# Altium PCB fpga.PcbDoc (part 6 of 11) (continued)
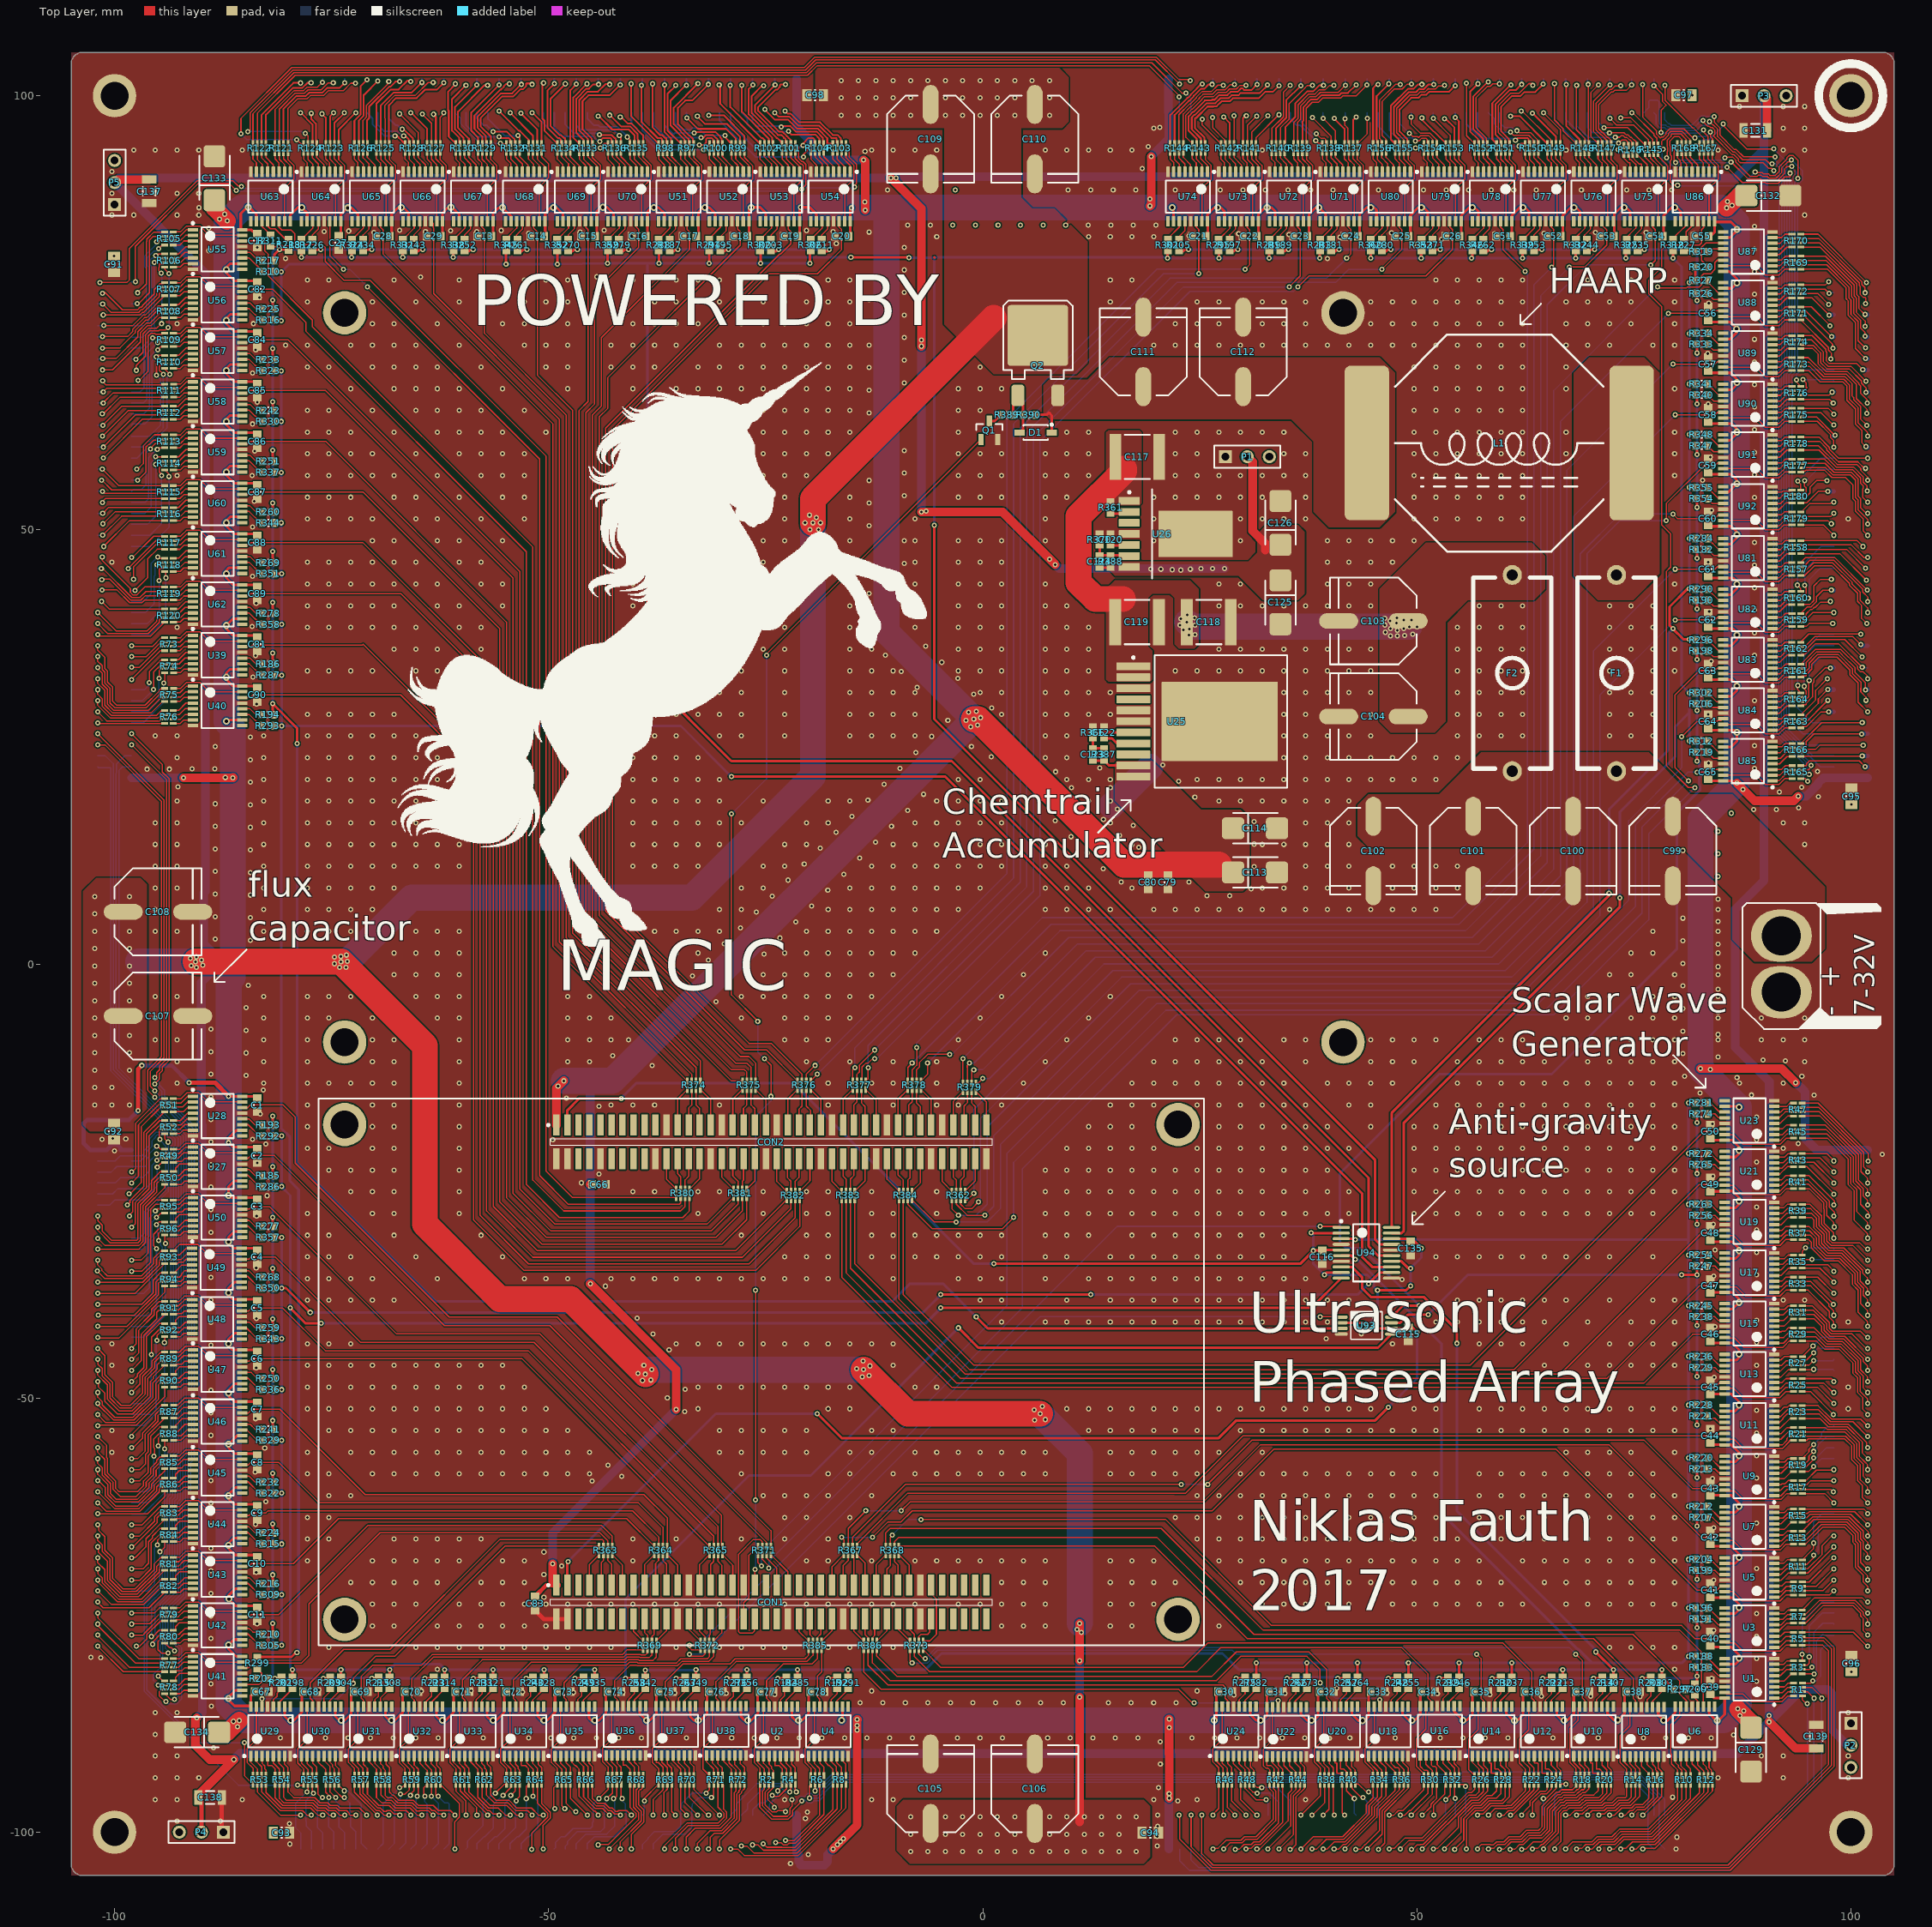
[diagram p0: Top Layer view]
## Nets (pads, with @x,y where several pads share a name; then routed paths per layer and width w, separated by ;. In a path a pad name is that pad's centre, name@x,y a point inside that pad or via, vN(x,y) a via of type N, cw(c..) or ccw(c..) an arc to the next point about the centre after c; other vN are vias at no path point) (continued)
NetJ3_48: J3.48 R65.6 | length 3
  Top Layer w0.15: R65.6@-48.498,-94.472 -48.498,-96.917 v1(-48.133,-97.282)
NetJ3_49: J3.49 R67.5 | length 11.5
  Top Layer w0.15: v1(-44.196,-96.139) -43.156,-95.099 R67.5@-43.156,-94.472
  Bottom Layer w0.15: J3.49@-49.365,-101.95 -49.2,-101.785 -49.2,-101.167 -48.558,-100.525 -48.133,-100.525 -47.201,-99.593 -45.21,-99.593 -44.96,-99.343 -44.96,-98.911 -44.88,-98.831 -44.88,-96.757 -44.262,-96.139 v1(-44.196,-96.139)
NetJ3_50: J3.50 R65.5 | length 3.1
  Top Layer w0.15: v1(-49.276,-97.282) -49.403,-97.282 -49.403,-94.877 R65.5@-48.998,-94.472
NetJ3_51: J3.51 R64.8 | length 8.3
  Top Layer w0.15: R64.8@-50.808,-94.472 -50.808,-96.71 -49.81,-97.708 -49.81,-98.392 -50.673,-99.255 -50.673,-101.988 v1(-50.635,-101.95)
NetJ3_52: J3.52 R62.8 | length 8.2
  Top Layer w0.15: R62.8@-56.654,-94.48 -56.659,-94.485 -56.659,-95.741 -56.081,-96.319 -54.585,-96.319 -53.679,-97.225 -51.988,-97.225 -51.169,-98.044 -50.641,-98.044 v1(-50.635,-98.05)
NetJ3_53: J3.53 R64.7 | length 8.8
  Top Layer w0.15: v1(-51.943,-101.981) -51.943,-100.1 -50.11,-98.267 -50.11,-97.833 -51.291,-96.652 -51.291,-94.489 R64.7@-51.308,-94.472
NetJ3_54: J3.54 R62.7 | length 7.5
  Top Layer w0.15: R62.7@-57.154,-94.48 -57.154,-95.754 -56.289,-96.619 -54.709,-96.619 -53.792,-97.536 -53.403,-97.536 -53.392,-97.525 -52.43,-97.525 v1(-51.905,-98.05)
NetJ3_55: J3.55 R64.6 | length 8.6
  Top Layer w0.15: v1(-51.816,-95.885) -51.808,-95.877 R64.6@-51.808,-94.472
  Bottom Layer w0.15: J3.55@-53.175,-101.95 -53.175,-101.332 -52.368,-100.525 -52.265,-100.525 -51.232,-99.492 -51.232,-96.469 v1(-51.816,-95.885)
NetJ3_56: J3.56 R62.6 | length 6.9
  Top Layer w0.15: R62.6@-57.654,-94.48 -57.654,-96.016 -56.751,-96.919 -54.834,-96.919 -53.709,-98.044 -53.181,-98.044 v1(-53.175,-98.05)
NetJ3_57: J3.57 R64.5 | length 8.6
  Top Layer w0.15: v1(-52.578,-96.139) -52.578,-94.742 R64.5@-52.308,-94.472
  Bottom Layer w0.15: J3.57@-54.445,-101.95 -54.445,-101.332 -53.638,-100.525 -53.459,-100.525 -52.58,-99.646 -52.58,-97.307 -52.578,-97.305 v1@-52.578,-96.266 ; v1@-52.705,-96.139 v1@-52.578,-96.266 ; v1(-52.578,-96.139) v1@-52.578,-96.266
NetJ3_58: J3.58 R62.5 | length 6.1
  Top Layer w0.15: R62.5@-58.154,-94.48 -58.154,-95.981 -56.916,-97.219 -55.804,-97.219 -54.979,-98.044 -54.451,-98.044 v1(-54.445,-98.05)
NetJ3_59: J3.59 R63.8 | length 8.7
  Top Layer w0.15: v1(-53.721,-96.393) -53.848,-96.393 -53.348,-95.893 R63.8@-53.348,-94.472
  Bottom Layer w0.15: J3.59@-55.715,-101.95 -55.715,-101.332 -54.908,-100.525 -54.881,-100.525 -53.797,-99.441 -53.797,-96.469 v1(-53.721,-96.393)
NetJ3_60: J3.60 R61.8 | length 5.5
  Top Layer w0.15: R61.8@-59.19,-94.488 -59.19,-95.369 -57.04,-97.519 -56.806,-97.519 -56.408,-97.917 -55.753,-97.917 -55.715,-97.955 v1(-55.715,-98.05)
NetJ3_61: J3.61 R63.7 | length 8.9
  Top Layer w0.15: v1(-54.356,-95.758) -53.848,-95.25 R63.7@-53.848,-94.472
  Bottom Layer w0.15: J3.61@-56.985,-101.95 -56.985,-101.332 -56.178,-100.525 -55.948,-100.525 -55.067,-99.644 -55.067,-96.723 -54.356,-96.012 v1(-54.356,-95.758)
NetJ3_62: J3.62 R61.7 | length 4.7
  Top Layer w0.15: R61.7@-59.69,-94.488 -59.69,-95.334 -57.023,-98.001 v1(-57.023,-98.044)
NetJ3_63: J3.63 R63.6 | length 9.2
  Top Layer w0.15: v1(-55.245,-95.758) -54.348,-94.861 R63.6@-54.348,-94.472
  Bottom Layer w0.15: J3.63@-58.255,-101.95 -58.255,-101.332 -57.448,-100.525 -57.37,-100.525 -56.363,-99.517 -56.363,-96.809 -55.311,-95.758 v1(-55.245,-95.758)
NetJ3_64: J3.64 R61.6 | length 4.4
  Top Layer w0.15: R61.6@-60.19,-94.488 -60.19,-95.258 -58.293,-97.155 -58.293,-98.012 v1(-58.255,-98.05)
NetJ3_65: J3.65 R63.5 | length 9.7
  Top Layer w0.15: v1(-56.134,-95.504) -55.102,-94.472 R63.5@-54.848,-94.472
  Bottom Layer w0.15: J3.65@-59.525,-101.95 -59.36,-101.785 -59.36,-101.041 -57.794,-99.475 -57.792,-99.475 -57.58,-99.263 -57.58,-96.757 -56.327,-95.504 v1(-56.134,-95.504)
NetJ3_66: J3.66 R61.5 | length 4
  Top Layer w0.15: R61.5@-60.69,-94.488 -60.69,-95.266 -59.563,-96.393 -59.563,-98.012 v1(-59.525,-98.05)
NetJ3_67: J3.67 R60.8 | length 8.7
  Top Layer w0.15: R60.8@-62.496,-94.48 -60.27,-96.706 -60.27,-98.267 -60.833,-98.83 -60.833,-101.981 -60.802,-101.95 v1(-60.795,-101.95)
NetJ3_68: J3.68 R58.8 | length 9.6
  Top Layer w0.15: R58.8@-68.338,-94.48 -68.326,-94.492 -68.326,-95.4 -68.006,-95.719 -67.882,-95.719 -67.276,-96.325 -65.585,-96.325 -64.985,-96.925 -63.293,-96.925 -62.693,-97.525 -61.32,-97.525 v1(-60.795,-98.05)
NetJ3_69: J3.69 R60.7 | length 8.7
  Top Layer w0.15: R60.7@-62.996,-94.48 -62.975,-94.501 -62.975,-95.775 -62.865,-95.885 v1(-62.738,-95.885)
  Bottom Layer w0.15: v1(-62.738,-95.885) -61.998,-96.625 -61.602,-96.625 -61.47,-96.757 -61.47,-101.355 J3.69@-62.065,-101.95
NetJ3_70: J3.70 R58.7 | length 9.1
  Top Layer w0.15: R58.7@-68.838,-94.48 -68.838,-95.764 -68.583,-96.019 -68.006,-96.019 -67.4,-96.625 -65.709,-96.625 -65.109,-97.225 -63.736,-97.225 -63.436,-97.525 -63.118,-97.525 -62.726,-97.917 -62.103,-97.917 -62.065,-97.955 v1(-62.065,-98.05)
NetJ3_71: J3.71 R60.6 | length 8.1
  Top Layer w0.15: v1(-63.5,-95.885) -63.5,-94.484 R60.6@-63.496,-94.48
  Bottom Layer w0.15: v1(-63.5,-95.885) -62.713,-96.672 -62.713,-101.328 J3.71@-63.335,-101.95
NetJ3_72: J3.72 R58.6 | length 8.2
  Top Layer w0.15: R58.6@-69.338,-94.48 -69.338,-95.688 -68.707,-96.319 -68.131,-96.319 -67.525,-96.925 -65.833,-96.925 -65.191,-97.568 -64.865,-97.568 -64.822,-97.525 -63.86,-97.525 v1(-63.335,-98.05)
NetJ3_73: J3.73 R60.5 | length 8.3
  Top Layer w0.15: v1(-64.262,-95.885) -64.389,-96.012 -64.389,-94.873 R60.5@-63.996,-94.48
  Bottom Layer w0.15: J3.73@-64.605,-101.95 -64.01,-101.355 -64.01,-96.757 -64.262,-96.505 v1(-64.262,-95.885)
NetJ3_74: J3.74 R58.5 | length 7.8
  Top Layer w0.15: R58.5@-69.838,-94.48 -69.838,-96.024 -69.243,-96.619 -68.255,-96.619 -67.649,-97.225 -65.958,-97.225 -65.139,-98.044 -64.516,-98.044 -64.522,-98.05 v1(-64.605,-98.05)
NetJ3_75: J3.75 R59.8 | length 8
  Top Layer w0.15: v1(-65.151,-95.885) -65.032,-95.766 R59.8@-65.032,-94.472
  Bottom Layer w0.15: J3.75@-65.875,-101.95 -65.278,-101.353 -65.278,-95.885 v1@-65.151,-95.758
NetJ3_76: J3.76 R57.8 | length 7.2
  Top Layer w0.15: R57.8@-70.874,-94.472 -70.874,-95.62 -69.575,-96.919 -68.379,-96.919 -67.773,-97.525 -66.4,-97.525 v1(-65.875,-98.05)
NetJ3_77: J3.77 R59.7 | length 8.3
  Top Layer w0.15: v1(-65.913,-95.758) -66.04,-95.758 -65.532,-95.25 R59.7@-65.532,-94.472
  Bottom Layer w0.15: J3.77@-67.145,-101.95 -66.472,-101.277 -66.472,-96.317 v1(-65.913,-95.758)
NetJ3_78: J3.78 R57.7 | length 6.5
  Top Layer w0.15: R57.7@-71.374,-94.472 -71.374,-95.544 -69.699,-97.219 -69.381,-97.219 -68.975,-97.626 -68.733,-97.626 -68.632,-97.525 -68.198,-97.525 -67.806,-97.917 -67.183,-97.917 -67.145,-97.955 v1(-67.145,-98.05)
NetJ3_79: J3.79 R59.6 | length 8.8
  Top Layer w0.15: v1(-67.056,-95.631) -66.548,-95.631 -66.04,-95.123 -66.04,-94.48 R59.6@-66.032,-94.472
  Bottom Layer w0.15: J3.79@-68.415,-101.95 -67.767,-101.302 -67.767,-98.146 -67.74,-98.118 -67.74,-96.757 -67.056,-96.073 v1(-67.056,-95.631)
NetJ3_80: J3.80 R57.6 | length 5.5
  Top Layer w0.15: R57.6@-71.874,-94.472 -71.749,-94.597 -71.749,-95.594 -69.824,-97.519 -69.506,-97.519 -68.975,-98.05 v1(-68.415,-98.05)
NetJ3_81: J3.81 R59.5 | length 8.9
  Top Layer w0.15: v1(-67.183,-94.869) -66.929,-94.869 R59.5@-66.532,-94.472
  Bottom Layer w0.15: J3.81@-69.685,-101.95 -69.063,-101.328 -69.063,-96.749 v1(-67.183,-94.869)
NetJ3_82: J3.82 R57.5 | length 4.7
  Top Layer w0.15: R57.5@-72.374,-94.472 -72.374,-95.393 v1(-69.723,-98.044)
NetJ3_83: J3.83 R56.8 | length 9
  Top Layer w0.15: R56.8@-74.18,-94.48 -74.18,-94.603 v1(-73.533,-95.25)
  Bottom Layer w0.15: v1(-73.533,-95.25) -73.137,-95.25 -71.63,-96.757 -71.63,-96.823 -71.577,-96.876 -71.577,-101.328 J3.83@-70.955,-101.95
NetJ3_84: J3.84 R54.8 | length 11.1
  Top Layer w0.15: R54.8@-80.018,-94.472 -80.018,-95.385 -79.378,-96.025 -77.437,-96.025 -77.433,-96.029 -76.918,-96.029 -76.322,-96.625 -75.445,-96.625 -75.151,-96.919 -74.337,-96.919 -74.031,-97.225 -71.78,-97.225 v1(-70.955,-98.05)
NetJ3_85: J3.85 R56.7 | length 8.7
  Top Layer w0.15: R56.7@-74.68,-94.48 -74.68,-95.119 -73.66,-96.139 v1(-73.533,-96.012)
  Bottom Layer w0.15: v1(-73.533,-96.012) -72.9,-96.645 -72.9,-98.042 -72.82,-98.122 -72.82,-99.343 -72.225,-99.938 J3.85@-72.225,-101.95
NetJ3_86: J3.86 R54.7 | length 10.8
  Top Layer w0.15: R54.7@-80.518,-94.472 -80.518,-96.012 -80.205,-96.325 -77.562,-96.325 -77.558,-96.329 -77.043,-96.329 -76.447,-96.925 -75.569,-96.925 -75.275,-97.219 -74.461,-97.219 -74.155,-97.525 -73.278,-97.525 -72.97,-97.833 -72.97,-97.961 -72.887,-98.044 -72.231,-98.044 v1(-72.225,-98.05)
NetJ3_87: J3.87 R56.6 | length 8.2
  Top Layer w0.15: R56.6@-75.18,-94.48 -75.18,-95.381 v1(-74.549,-96.012)
  Bottom Layer w0.15: v1(-74.549,-96.012) -74.549,-96.378 -74.17,-96.757 -74.17,-99.395 -73.495,-100.07 J3.87@-73.495,-101.95
NetJ3_88: J3.88 R54.6 | length 10
  Top Layer w0.15: R54.6@-81.018,-94.472 -81.004,-94.486 -81.004,-96.117 -80.497,-96.625 -77.686,-96.625 -77.682,-96.629 -77.167,-96.629 -76.571,-97.225 -75.693,-97.225 -75.399,-97.519 -74.586,-97.519 -74.055,-98.05 v1(-73.495,-98.05)
NetJ3_89: J3.89 R56.5 | length 7.9
  Top Layer w0.15: R56.5@-75.68,-94.48 -75.68,-95.389 -75.311,-95.758 v1(-75.311,-96.012)
  Bottom Layer w0.15: v1(-75.311,-96.012) -75.36,-96.061 -75.36,-99.343 -74.765,-99.938 J3.89@-74.765,-101.95
NetJ3_90: J3.90 R54.5 | length 9.1
  Top Layer w0.15: R54.5@-81.518,-94.472 -81.518,-96.028 -80.621,-96.925 -77.81,-96.925 -77.806,-96.929 -77.291,-96.929 -76.695,-97.525 -75.818,-97.525 -75.299,-98.044 v1(-74.803,-98.044)
NetJ3_91: J3.91 R55.8 | length 8.3
  Top Layer w0.15: R55.8@-76.732,-94.488 -76.564,-94.656 -76.564,-95.648 -76.2,-96.012 v1(-76.073,-96.012)
  Bottom Layer w0.15: v1(-76.073,-96.012) -76.63,-96.569 -76.63,-99.475 -76.035,-100.07 J3.91@-76.035,-101.95
NetJ3_92: J3.92 R53.8 | length 8.6
  Top Layer w0.15: R53.8@-82.558,-94.472 -82.558,-95.453 -80.786,-97.225 -77.935,-97.225 -77.931,-97.229 -77.416,-97.229 -76.595,-98.05 v1(-76.035,-98.05)
NetJ3_93: J3.93 R55.7 | length 8.2
  Top Layer w0.15: R55.7@-77.232,-94.488 -77.232,-95.361 v1(-77.089,-95.504)
  Bottom Layer w0.15: J3.93@-77.305,-101.95 -77.305,-99.938 -77.9,-99.343 -77.9,-98.835 -77.98,-98.755 -77.98,-96.395 v1(-77.089,-95.504)
NetJ3_94: J3.94 R53.7 | length 7.7
  Top Layer w0.15: R53.7@-83.058,-94.472 -83.058,-95.377 -80.91,-97.525 -78.358,-97.525 -77.839,-98.044 v1(-77.343,-98.044)
NetJ3_95: J3.95 R55.6 | length 8.5
  Top Layer w0.15: v1(-77.851,-95.377) -77.732,-95.496 R55.6@-77.732,-94.488
  Bottom Layer w0.15: J3.95@-78.575,-101.95 -78.575,-100.07 -79.17,-99.475 -79.17,-96.696 v1(-77.851,-95.377)
NetJ3_96: J3.96 R53.6 | length 7
  Top Layer w0.15: R53.6@-83.558,-94.472 -83.558,-95.385 -80.899,-98.044 -78.569,-98.044 v1(-78.575,-98.05)
NetJ4_7: J4.7 R55.5 | length 94.8
  Top Layer w0.15: v1(-78.918,-94.59) -78.334,-94.59 R55.5@-78.232,-94.488
  Bottom Layer w0.15: J4.7@-98.05,-22.695 -97.008,-22.695 -96.325,-22.012 -96.325,-21.649 -95.673,-20.997 -95.673,-20.357 -95.301,-19.984 -95.301,-19.888 -95.106,-19.693 -93.915,-19.693 -93.915,-19.998 -93.61,-19.998 -93.303,-20.306 -93.303,-20.741 -93.528,-20.966 -93.528,-55.916 -93.934,-56.322 -93.934,-61.033 -94.268,-61.367 -94.268,-67.908 -94.493,-68.133 -94.493,-71.752 -96.583,-73.842 -96.583,-83.757 -85.75,-94.59 v1(-78.918,-94.59)
NetJ4_8: J4.8 R53.5 | length 95
  Top Layer w0.15: v1(-85.065,-89.713) -85.042,-89.735 -85.042,-93.488 R53.5@-84.058,-94.472
  Bottom Layer w0.15: J4.8@-101.95,-22.695 -99.938,-22.695 -99.343,-22.1 -96.837,-22.1 -96.625,-21.888 -96.625,-21.525 -95.973,-20.873 -95.973,-20.137 -95.23,-19.393 -93.791,-19.393 -93.003,-20.181 -93.003,-20.865 -93.228,-21.09 -93.228,-56.04 -93.634,-56.447 -93.634,-61.158 -93.968,-61.492 -93.968,-68.033 -94.193,-68.258 -94.193,-71.877 -96.283,-73.967 -96.283,-83.633 -90.203,-89.713 v1(-85.065,-89.713)
NetJ4_9: J4.9 R51.5 | length 10.4
  Top Layer w0.15: v1(-98.05,-23.965) -98.006,-23.965 -97.993,-23.978 -97.548,-23.533 -97.548,-18.326 -94.741,-15.518 R51.5@-94.234,-15.518
NetJ4_10: J4.10 R49.5 | length 9.7
  Top Layer w0.15: v1(-95.148,-21.006) -95.047,-21.006 -94.705,-21.348 R49.5@-94.226,-21.348
  Bottom Layer w0.15: J4.10@-101.95,-23.965 -100.368,-23.965 -99.746,-23.343 -96.52,-23.343 -96.342,-23.165 -96.342,-22.454 -96.025,-22.137 -96.025,-21.882 v1(-95.148,-21.006)
NetJ4_11: J4.11 R51.6 | length 11.1
  Top Layer w0.15: v1(-98.05,-25.235) -97.248,-24.433 -97.248,-18.534 -94.733,-16.018 R51.6@-94.234,-16.018
NetJ4_12: J4.12 R49.6 | length 9.8
  Top Layer w0.15: v1(-95.174,-21.869) -94.247,-21.869 R49.6@-94.226,-21.848
  Bottom Layer w0.15: J4.12@-101.95,-25.235 -99.938,-25.235 -99.343,-24.64 -98.452,-24.64 -98.4,-24.587 -96.749,-24.587 -95.982,-23.82 -95.982,-22.748 -95.225,-21.991 -95.225,-21.92 v1(-95.174,-21.869)
NetJ4_13: J4.13 R51.7 | length 12
  Top Layer w0.15: v1(-98.349,-26.492) -98.247,-26.492 -96.948,-25.193 -96.948,-18.767 -94.699,-16.518 R51.7@-94.234,-16.518
NetJ4_14: J4.14 R49.7 | length 10.6
  Top Layer w0.15: v1(-95.123,-22.631) -95.148,-22.631 -94.865,-22.348 R49.7@-94.226,-22.348
  Bottom Layer w0.15: J4.14@-101.95,-26.505 -100.241,-26.505 -99.619,-25.883 -96.444,-25.883 -95.682,-25.121 -95.682,-23.19 v1(-95.123,-22.631)
NetJ4_15: J4.15 R51.8 | length 12.6
  Top Layer w0.15: v1(-98.552,-27.737) -98.501,-27.788 -98.238,-27.524 -98.238,-27.248 -96.648,-25.659 -96.648,-19.432 R51.8@-94.234,-17.018
NetJ4_16: J4.16 R49.8 | length 11
  Top Layer w0.15: v1(-95.098,-23.419) -94.527,-22.848 R49.8@-94.226,-22.848
  Bottom Layer w0.15: J4.16@-101.95,-27.775 -100.546,-27.775 -99.949,-27.178 -98.148,-27.178 -98.146,-27.18 -96.7,-27.18 -95.098,-25.578 v1(-95.098,-23.419)
NetJ4_17: J4.17 R52.5 | length 13.2
  Top Layer w0.15: v1(-98.298,-29.032) -98.4,-29.032 -97.938,-28.57 -97.938,-27.373 -96.348,-25.783 -96.348,-19.59 -94.805,-18.046 R52.5@-94.226,-18.046
NetJ4_18: J4.18 R50.5 | length 16
  Top Layer w0.15: v1(-101.95,-29.045) -101.95,-29.027 -101.905,-28.981 -101.905,-29.618 -101.425,-30.098 -101.425,-30.764 -100.35,-31.84 -97.451,-31.84 -97.326,-31.715 -97.326,-27.609 -95.748,-26.032 -95.748,-24.959 -94.678,-23.888 R50.5@-94.226,-23.888
NetJ4_19: J4.19 R52.6 | length 14.1
  Top Layer w0.15: v1(-98.05,-30.315) -98.088,-30.277 -98.273,-30.277 -98.171,-30.175 -97.866,-30.175 -97.638,-29.947 -97.638,-27.497 -96.048,-25.908 -96.048,-19.819 -94.775,-18.546 R52.6@-94.226,-18.546
NetJ4_20: J4.20 R50.6 | length 14.9
  Top Layer w0.15: v1(-101.95,-30.315) -101.95,-30.663 -100.474,-32.14 -97.326,-32.14 -97.026,-31.839 -97.026,-27.733 -95.448,-26.156 -95.448,-25.174 -94.662,-24.388 R50.6@-94.226,-24.388
NetJ4_21: J4.21 R52.7 | length 15.6
  Top Layer w0.15: v1(-94.793,-20.218) -94.851,-20.16 -94.851,-19.046 R52.7@-94.226,-19.046
  Bottom Layer w0.15: J4.21@-98.05,-31.585 -97.142,-31.585 -96.599,-31.041 -96.599,-28.579 -94.128,-26.108 -94.128,-20.966 -94.353,-20.741 -94.353,-20.684 -94.793,-20.244 v1(-94.793,-20.218)
NetJ4_22: J4.22 R50.7 | length 14.2
  Top Layer w0.15: v1(-101.93,-31.623) -101.114,-32.44 -97.202,-32.44 -96.726,-31.963 -96.726,-27.858 -95.148,-26.28 -95.148,-25.298 -94.738,-24.888 R50.7@-94.226,-24.888
NetJ4_23: J4.23 R52.8 | length 15.9
  Top Layer w0.15: R52.8@-94.226,-19.546 -94.226,-20.125 v1(-93.828,-20.523)
  Bottom Layer w0.15: J4.23@-98.05,-32.855 -96.815,-32.855 -96.599,-32.639 -96.599,-31.515 -96.299,-31.215 -96.299,-28.704 -93.828,-26.232 v1(-93.828,-20.523)
NetJ4_24: J4.24 R50.8 | length 13.5
  Top Layer w0.15: v1(-101.95,-32.855) -97.193,-32.855 -96.426,-32.088 -96.426,-27.982 -94.226,-25.782 R50.8@-94.226,-25.388
NetJ4_25: J4.25 R95.5 | length 9.7
  Top Layer w0.15: v1(-98.05,-34.125) -96.965,-34.125 -96.126,-33.286 -96.126,-28.106 -95.222,-27.202 R95.5@-94.234,-27.202
NetJ4_26: J4.26 R93.5 | length 10.5
  Top Layer w0.15: v1(-101.95,-34.125) -101.95,-34.671 -101.456,-35.165 -101.456,-35.323 -100.838,-35.941 -96.908,-35.941 -95.474,-34.507 -95.474,-33.861 -94.645,-33.032 R93.5@-94.226,-33.032
NetJ4_27: J4.27 R95.6 | length 10.6
  Top Layer w0.15: v1(-98.05,-35.395) -98.037,-35.408 -96.876,-35.408 -95.826,-34.358 -95.826,-28.231 -95.297,-27.702 R95.6@-94.234,-27.702
NetJ4_28: J4.28 R93.6 | length 9.6
  Top Layer w0.15: v1(-101.981,-35.382) -101.122,-36.241 -96.784,-36.241 -95.174,-34.631 -95.174,-33.985 -94.721,-33.532 R93.6@-94.226,-33.532
NetJ4_29: J4.29 R95.7 | length 11.3
  Top Layer w0.15: v1(-95.301,-28.448) -95.055,-28.202 R95.7@-94.234,-28.202
  Bottom Layer w0.15: J4.29@-98.05,-36.665 -96.761,-36.665 -96.299,-36.202 -96.299,-31.64 -95.999,-31.34 -95.999,-29.293 -95.402,-28.696 -95.402,-28.55 v1(-95.301,-28.448)
NetJ4_30: J4.30 R93.7 | length 9.2
  Top Layer w0.15: v1(-101.95,-36.665) -96.783,-36.665 -94.869,-34.751 -94.869,-34.138 -94.763,-34.032 R93.7@-94.226,-34.032
NetJ4_31: J4.31 R95.8 | length 11.9
  Top Layer w0.15: v1(-95.174,-29.21) -94.666,-28.702 R95.8@-94.234,-28.702
  Bottom Layer w0.15: J4.31@-98.05,-37.935 -98.037,-37.948 -96.647,-37.948 -95.999,-37.299 -95.999,-31.764 -95.699,-31.464 -95.699,-29.735 v1(-95.174,-29.21)
NetJ4_32: J4.32 R93.8 | length 9.1
  Top Layer w0.15: v1(-101.95,-37.935) -101.937,-37.948 -97.642,-37.948 R93.8@-94.226,-34.532
NetJ4_33: J4.33 R96.5 | length 12.4
  Top Layer w0.15: v1(-95.174,-30.023) -94.881,-29.73 R96.5@-94.226,-29.73
  Bottom Layer w0.15: J4.33@-98.05,-39.205 -96.897,-39.205 -95.699,-38.007 -95.699,-31.888 -95.072,-31.262 -95.072,-29.921 v1(-95.174,-30.023)
NetJ4_34: J4.34 R94.5 | length 10.1
  Top Layer w0.15: v1(-101.95,-39.205) -96.876,-39.205 -95.55,-37.879 -95.55,-36.419 -94.703,-35.572 R94.5@-94.226,-35.572
NetJ4_35: J4.35 R96.6 | length 13.5
  Top Layer w0.15: v1(-95.174,-32.791) -95.504,-32.461 -95.504,-31.14 -94.719,-30.355 -94.351,-30.355 R96.6@-94.226,-30.23
  Bottom Layer w0.15: J4.35@-98.05,-40.475 -97.987,-40.538 -96.215,-40.538 -95.174,-39.497 v1(-95.174,-32.791)
NetJ4_36: J4.36 R94.6 | length 10.3
  Top Layer w0.15: v1(-101.905,-40.462) -97.709,-40.462 -95.25,-38.003 -95.25,-36.66 -94.662,-36.072 R94.6@-94.226,-36.072
NetJ4_37: J4.37 R96.7 | length 14.5
  Top Layer w0.15: v1(-94.945,-31.877) -94.945,-31.039 -94.636,-30.73 R96.7@-94.226,-30.73
  Bottom Layer w0.15: J4.37@-98.05,-41.745 -95.839,-41.745 -94.488,-40.394 -94.488,-32.619 -94.683,-32.425 -94.683,-32.139 v1(-94.945,-31.877)
NetJ4_38: J4.38 R94.7 | length 10.7
  Top Layer w0.15: v1(-101.95,-41.745) -98.568,-41.745 -94.945,-38.123 -94.945,-36.779 -94.738,-36.572 R94.7@-94.226,-36.572
NetJ4_39: J4.39 R96.8 | length 14.2
  Top Layer w0.15: R96.8@-94.226,-31.23 -94.226,-32.139 v1(-94.158,-32.207)
  Bottom Layer w0.15: J4.39@-98.05,-43.015 -96.685,-43.015 -94.158,-40.488 v1(-94.158,-32.207)
NetJ4_40: J4.40 R94.8 | length 10.7
  Top Layer w0.15: v1(-101.95,-43.015) -101.93,-43.035 -101.93,-43.078 -99.477,-43.078 -94.226,-37.828 R94.8@-94.226,-37.072
NetJ4_41: J4.41 R91.5 | length 7.4
  Top Layer w0.15: v1(-98.05,-44.285) -97.542,-43.777 -97.542,-42.069 -95.748,-40.275 -95.748,-39.774 -94.848,-38.874 R91.5@-94.226,-38.874
NetJ4_42: J4.42 R89.5 | length 16.8
  Top Layer w0.15: v1(-101.95,-44.285) -101.125,-45.11 -101.125,-47.329 -100.225,-48.229 -100.225,-49.879 -99.248,-50.856 -98.199,-50.856 -96.771,-49.427 -96.771,-47.488 -95.698,-46.415 -95.698,-45.743 -94.67,-44.716 R89.5@-94.226,-44.716
NetJ4_43: J4.43 R91.6 | length 8.3
  Top Layer w0.15: v1(-98.05,-45.555) -98.019,-45.586 -98.019,-45.618 -97.242,-44.842 -97.242,-42.226 -95.448,-40.432 -95.448,-39.899 -94.92,-39.37 -94.916,-39.374 R91.6@-94.226,-39.374
NetJ4_44: J4.44 R89.6 | length 15.8
  Top Layer w0.15: v1(-101.95,-45.555) -101.937,-45.542 -101.93,-45.542 -101.93,-46.102 -101.425,-46.608 -101.425,-47.453 -100.525,-48.353 -100.525,-50.003 -99.372,-51.156 -98.075,-51.156 -96.471,-49.551 -96.471,-47.612 -95.398,-46.539 -95.398,-45.868 -94.746,-45.216 R89.6@-94.226,-45.216
NetJ4_45: J4.45 R91.7 | length 8.9
  Top Layer w0.15: v1(-98.05,-46.825) -96.942,-45.717 -96.942,-42.677 -95.148,-40.884 -95.148,-40.132 -94.894,-39.878 -94.23,-39.878 R91.7@-94.226,-39.874
NetJ4_46: J4.46 R89.7 | length 14.7
  Top Layer w0.15: v1(-101.95,-46.825) -101.95,-47.353 -100.825,-48.478 -100.825,-50.127 -99.466,-51.486 -97.981,-51.486 -96.171,-49.675 -96.171,-47.736 -95.098,-46.663 -95.098,-46.177 -94.636,-45.716 R89.7@-94.226,-45.716
NetJ4_47: J4.47 R91.8 | length 9.4
  Top Layer w0.15: v1(-98.05,-48.095) -98.006,-48.095 -97.993,-48.108 -97.371,-47.485 -97.371,-47.239 -96.642,-46.511 -96.642,-42.802 -94.226,-40.386 R91.8@-94.226,-40.374
NetJ4_48: J4.48 R89.8 | length 13.6
  Top Layer w0.15: v1(-101.95,-48.095) -101.917,-48.095 -101.879,-48.133 -101.879,-48.693 -101.125,-49.448 -101.125,-50.386 -99.67,-51.841 -97.912,-51.841 -95.871,-49.8 -95.871,-48.104 -95.529,-47.763 -95.529,-47.519 R89.8@-94.226,-46.216
NetJ4_49: J4.49 R92.5 | length 9.9
  Top Layer w0.15: v1(-98.05,-49.365) -97.071,-48.386 -97.071,-47.364 -96.342,-46.635 -96.342,-42.926 -94.842,-41.426 R92.5@-94.218,-41.426
NetJ4_50: J4.50 R90.5 | length 12.5
  Top Layer w0.15: v1(-101.95,-49.365) -101.95,-49.893 -101.425,-50.418 -101.425,-50.805 -99.993,-52.237 -97.883,-52.237 -95.571,-49.924 -95.571,-48.228 -94.586,-47.244 R90.5@-94.218,-47.244
NetJ4_51: J4.51 R92.6 | length 11.5
  Top Layer w0.15: v1(-95.783,-44.983) -95.733,-44.933 -95.733,-42.984 -94.799,-42.051 -94.343,-42.051 R92.6@-94.218,-41.926
  Bottom Layer w0.15: J4.51@-98.05,-50.635 -96.507,-50.635 -95.783,-49.911 v1(-95.783,-44.983)
NetJ4_52: J4.52 R90.6 | length 11.6
  Top Layer w0.15: v1(-101.95,-50.635) -101.963,-50.648 -102.006,-50.648 -100.117,-52.537 -97.759,-52.537 -95.271,-50.048 -95.271,-48.364 -94.65,-47.744 R90.6@-94.218,-47.744
NetJ4_53: J4.53 R92.7 | length 12.7
  Top Layer w0.15: v1(-95.123,-43.358) -95.123,-42.799 -94.717,-42.393 -94.251,-42.393 R92.7@-94.218,-42.426
  Bottom Layer w0.15: J4.53@-98.05,-51.905 -95.822,-51.905 -95.225,-51.308 -95.225,-43.485 -95.098,-43.358 v1(-95.123,-43.358)
NetJ4_54: J4.54 R90.7 | length 11
  Top Layer w0.15: v1(-101.95,-51.905) -101.018,-52.837 -97.635,-52.837 -94.971,-50.173 -94.971,-48.489 -94.717,-48.235 -94.227,-48.235 R90.7@-94.218,-48.244
NetJ4_55: J4.55 R92.8 | length 12.7
  Top Layer w0.15: v1(-94.259,-43.612) -94.218,-43.57 R92.8@-94.218,-42.926
  Bottom Layer w0.15: J4.55@-98.05,-53.175 -96.66,-53.175 -94.259,-50.775 v1(-94.259,-43.612)
NetJ4_56: J4.56 R90.8 | length 10.2
  Top Layer w0.15: v1(-101.95,-53.175) -101.912,-53.137 -97.511,-53.137 -94.218,-49.844 R90.8@-94.218,-48.744
NetJ4_57: J4.57 R87.5 | length 5.5
  Top Layer w0.15: v1(-98.05,-54.445) -98.05,-54.225 -94.641,-50.816 R87.5@-94.218,-50.816
NetJ4_58: J4.58 R85.5 | length 15.2
  Top Layer w0.15: v1(-101.95,-54.445) -101.943,-54.445 -100.913,-55.475 -100.913,-56.855 -100.825,-56.943 -100.825,-58.635 -99.874,-59.586 -99.874,-60.404 -99.486,-60.792 -97.374,-60.792 -96.659,-60.077 -96.659,-59.558 -95.825,-58.723 -95.825,-58.036 -95.151,-57.362 -95.151,-57.16 -94.77,-56.779 -94.351,-56.779 R85.5@-94.226,-56.654
NetJ4_59: J4.59 R87.6 | length 6.4
  Top Layer w0.15: v1(-98.05,-55.715) -97.904,-55.715 -97.892,-55.728 -96.76,-54.596 -96.76,-54.009 -95.296,-52.545 -95.296,-51.895 -94.717,-51.316 R87.6@-94.218,-51.316
NetJ4_60: J4.60 R85.6 | length 14.4
  Top Layer w0.15: v1(-101.95,-55.715) -101.95,-56.243 -101.125,-57.068 -101.125,-58.759 -100.174,-59.71 -100.174,-60.528 -99.328,-61.374 -97.532,-61.374 -96.359,-60.202 -96.359,-59.682 -95.525,-58.848 -95.525,-58.16 -94.851,-57.487 -94.851,-57.378 -94.818,-57.345 -94.818,-57.252 -94.721,-57.154 R85.6@-94.226,-57.154
NetJ4_61: J4.61 R87.7 | length 7.5
  Top Layer w0.15: v1(-98.05,-56.985) -97.336,-56.985 -96.46,-56.108 -96.46,-54.133 -94.996,-52.67 -94.996,-52.019 -94.793,-51.816 R87.7@-94.218,-51.816
NetJ4_62: J4.62 R85.7 | length 13.6
  Top Layer w0.15: v1(-101.95,-56.985) -101.981,-56.954 -101.981,-57.482 -101.425,-58.038 -101.425,-58.883 -100.474,-59.834 -100.474,-60.998 -99.798,-61.674 -97.407,-61.674 -96.059,-60.326 -96.059,-59.806 -95.225,-58.972 -95.225,-58.284 -94.719,-57.779 -94.351,-57.779 R85.7@-94.226,-57.654
NetJ4_63: J4.63 R87.8 | length 8.1
  Top Layer w0.15: v1(-98.05,-58.255) -98.037,-58.242 -97.079,-58.242 -96.425,-57.588 -96.425,-56.497 -96.16,-56.232 -96.16,-54.258 R87.8@-94.218,-52.316
NetJ4_64: J4.64 R85.8 | length 12.3
  Top Layer w0.15: v1(-101.95,-58.255) -101.95,-58.783 -100.774,-59.959 -100.774,-61.122 -99.922,-61.974 -97.283,-61.974 -95.759,-60.45 -95.759,-59.931 -94.859,-59.031 -94.859,-58.955 -94.727,-58.823 -94.651,-58.823 -94.226,-58.398 R85.8@-94.226,-58.154
NetJ4_65: J4.65 R88.5 | length 8.7
  Top Layer w0.15: v1(-98.05,-59.525) -97.092,-59.525 -96.125,-58.558 -96.125,-56.622 -95.86,-56.357 -95.86,-54.407 -94.793,-53.34 -94.234,-53.34 R88.5@-94.218,-53.356
NetJ4_66: J4.66 R86.5 | length 11.1
  Top Layer w0.15: v1(-101.95,-59.525) -101.867,-59.525 -101.074,-60.318 -101.074,-61.247 -99.886,-62.435 -97.32,-62.435 -95.459,-60.574 -95.459,-60.055 -94.727,-59.323 -94.359,-59.323 R86.5@-94.234,-59.198
NetJ4_67: J4.67 R88.6 | length 9.8
  Top Layer w0.15: v1(-95.479,-56.718) -95.418,-56.658 -95.418,-55.794 -95.496,-55.716 -95.496,-54.736 -94.615,-53.856 R88.6@-94.218,-53.856
  Bottom Layer w0.15: J4.67@-98.05,-60.795 -96.33,-60.795 -95.479,-59.944 v1(-95.479,-56.718)
NetJ4_68: J4.68 R86.6 | length 10
  Top Layer w0.15: v1(-101.95,-60.795) -100.01,-62.735 -97.195,-62.735 -95.159,-60.699 -95.159,-60.331 -95.148,-60.32 -95.148,-60.223 -94.623,-59.698 R86.6@-94.234,-59.698
NetJ4_69: J4.69 R88.7 | length 10.8
  Top Layer w0.15: v1(-94.971,-55.499) -94.971,-54.635 -94.691,-54.356 R88.7@-94.218,-54.356
  Bottom Layer w0.15: J4.69@-98.05,-62.065 -96.203,-62.065 -94.844,-60.706 -94.844,-55.626 v1(-94.971,-55.499)
NetJ4_70: J4.70 R86.7 | length 9.5
  Top Layer w0.15: v1(-101.95,-62.065) -101.943,-62.065 -100.973,-63.035 -97.071,-63.035 -94.859,-60.823 -94.859,-60.455 -94.727,-60.323 -94.359,-60.323 R86.7@-94.234,-60.198
NetJ4_71: J4.71 R88.8 | length 10.9
  Top Layer w0.15: v1(-94.234,-55.88) -94.234,-54.872 R88.8@-94.218,-54.856
  Bottom Layer w0.15: J4.71@-98.05,-63.335 -97.987,-63.398 -96.723,-63.398 -94.234,-60.909 v1(-94.234,-55.88)
NetJ4_72: J4.72 R86.8 | length 9.2
  Top Layer w0.15: v1(-101.95,-63.335) -96.203,-63.335 -94.234,-61.366 R86.8@-94.234,-60.698
NetJ4_73: J4.73 R83.5 | length 4.7
  Top Layer w0.15: v1(-98.05,-64.605) -96.838,-64.605 -94.729,-62.496 R83.5@-94.226,-62.496
NetJ4_74: J4.74 R81.5 | length 15.4
  Top Layer w0.15: v1(-101.95,-64.605) -101.886,-64.541 -101.829,-64.541 -101.829,-65.254 -101.125,-65.958 -101.125,-67.539 -100.225,-68.439 -100.225,-70.785 -99.023,-71.987 -97.644,-71.987 -95.459,-69.802 -95.459,-69.145 -94.664,-68.35 R81.5@-94.234,-68.35
NetJ4_75: J4.75 R83.6 | length 5.3
  Top Layer w0.15: v1(-98.05,-65.875) -98.037,-65.888 -97.104,-65.888 -95.398,-64.181 -95.398,-63.655 -94.863,-63.121 -94.351,-63.121 R83.6@-94.226,-62.996
NetJ4_76: J4.76 R81.6 | length 14.3
  Top Layer w0.15: v1(-101.95,-65.875) -101.95,-66.403 -101.425,-66.928 -101.425,-67.663 -100.525,-68.563 -100.525,-70.909 -99.147,-72.287 -97.52,-72.287 -95.159,-69.926 -95.159,-69.386 -94.748,-68.975 -94.234,-68.975 R81.6@-94.234,-68.85
NetJ4_77: J4.77 R83.7 | length 5.7
  Top Layer w0.15: v1(-98.05,-67.145) -97.879,-67.145 -95.098,-64.364 -95.098,-63.779 -94.814,-63.496 R83.7@-94.226,-63.496
NetJ4_78: J4.78 R81.7 | length 13.3
  Top Layer w0.15: v1(-101.95,-67.145) -101.892,-67.145 -101.879,-67.158 -101.879,-67.743 -100.825,-68.798 -100.825,-71.033 -99.271,-72.587 -97.395,-72.587 -94.859,-70.051 -94.859,-69.51 -94.699,-69.35 R81.7@-94.234,-69.35
NetJ4_79: J4.79 R83.8 | length 6.2
  Top Layer w0.15: v1(-98.05,-68.415) -98.012,-68.377 -97.628,-68.377 -96.383,-67.132 -96.383,-66.208 -95.58,-65.405 -95.58,-65.35 R83.8@-94.226,-63.996